# KiCad board daq-eval-board.kicad_pcb
title: DAQ Evaluation Board; date: 2024-03-22; rev: 1; company: Cerebral Systems Inc.
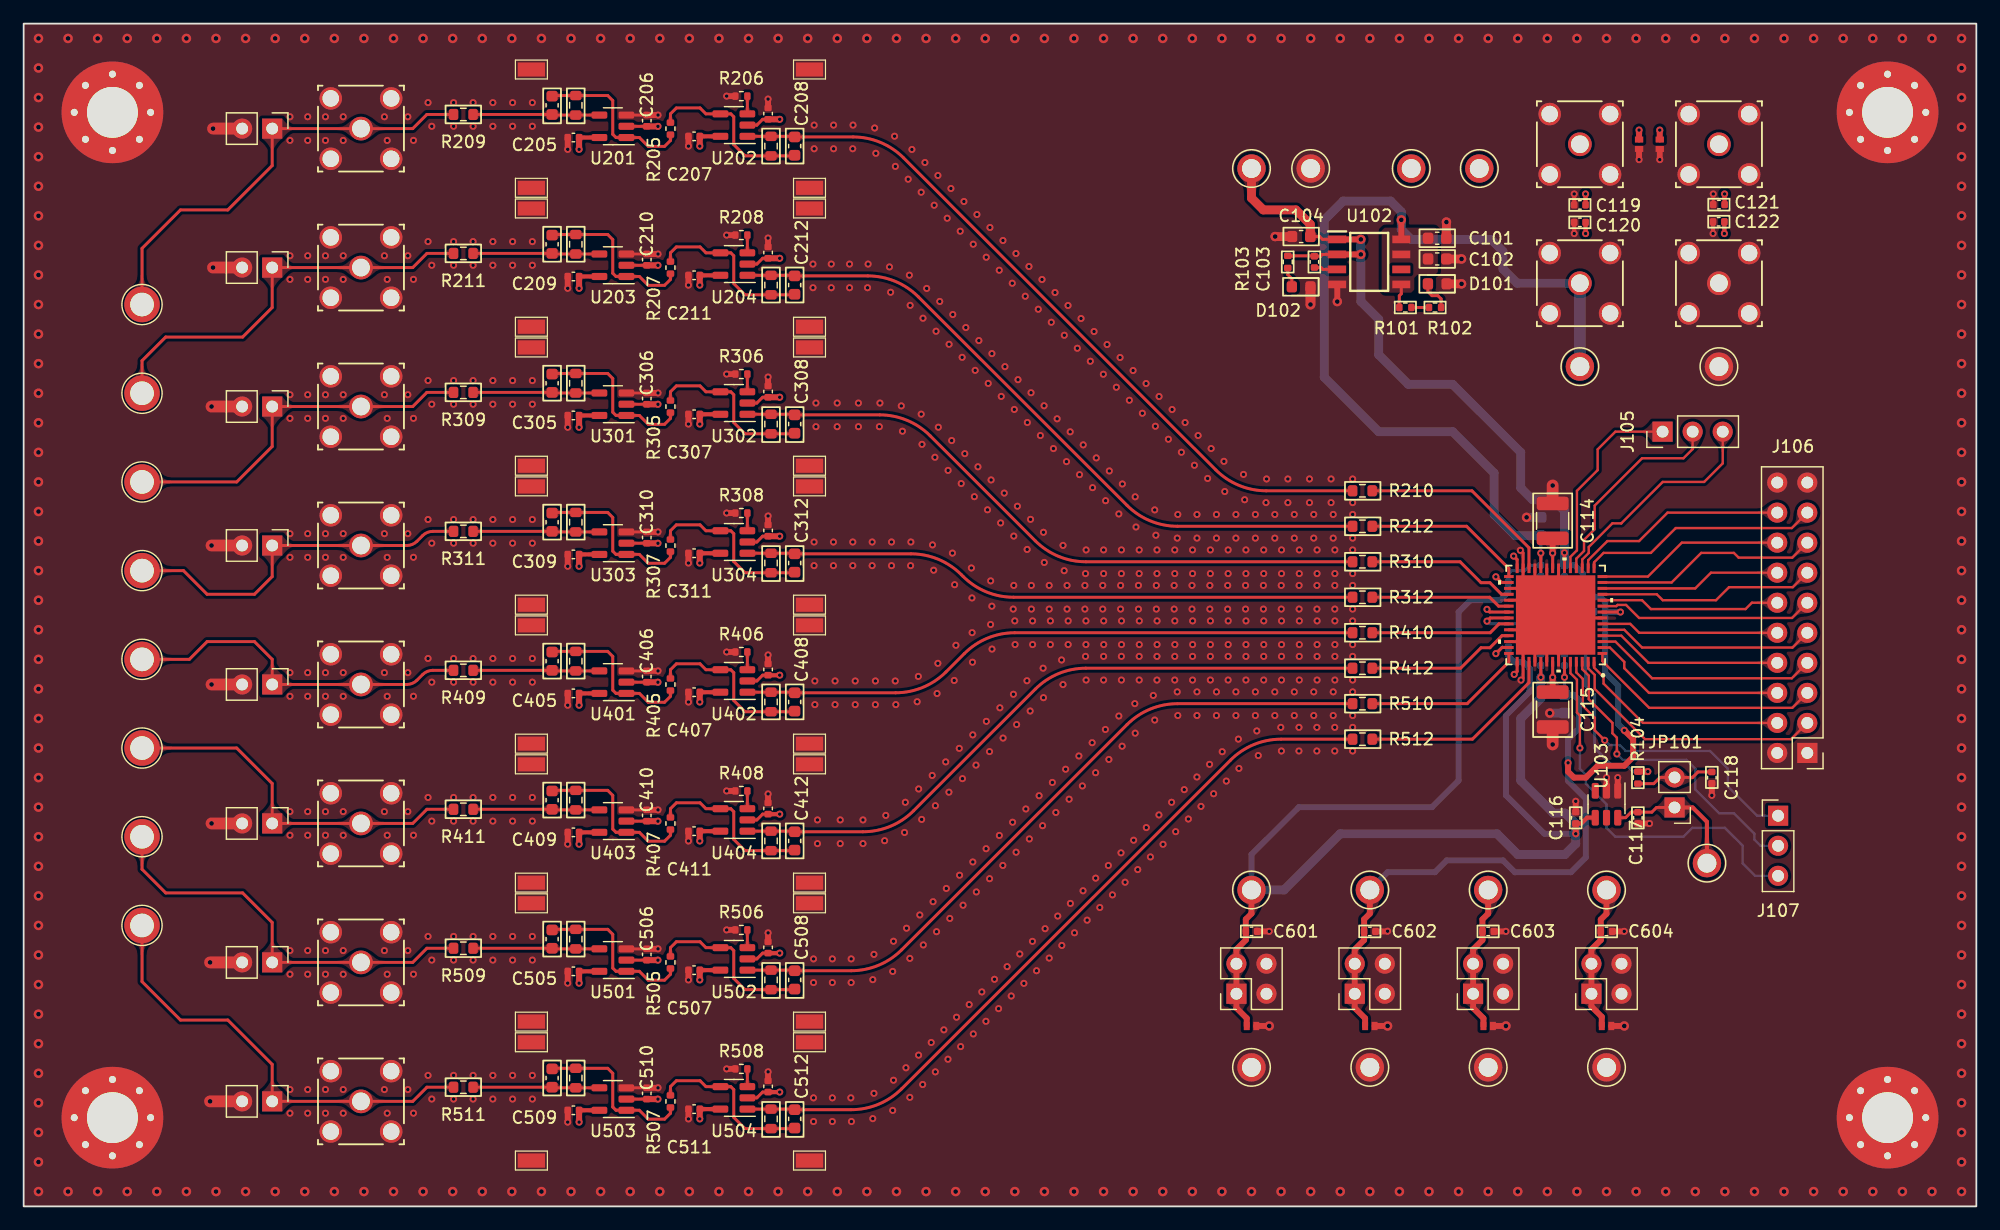
[diagram p0: board, top side]
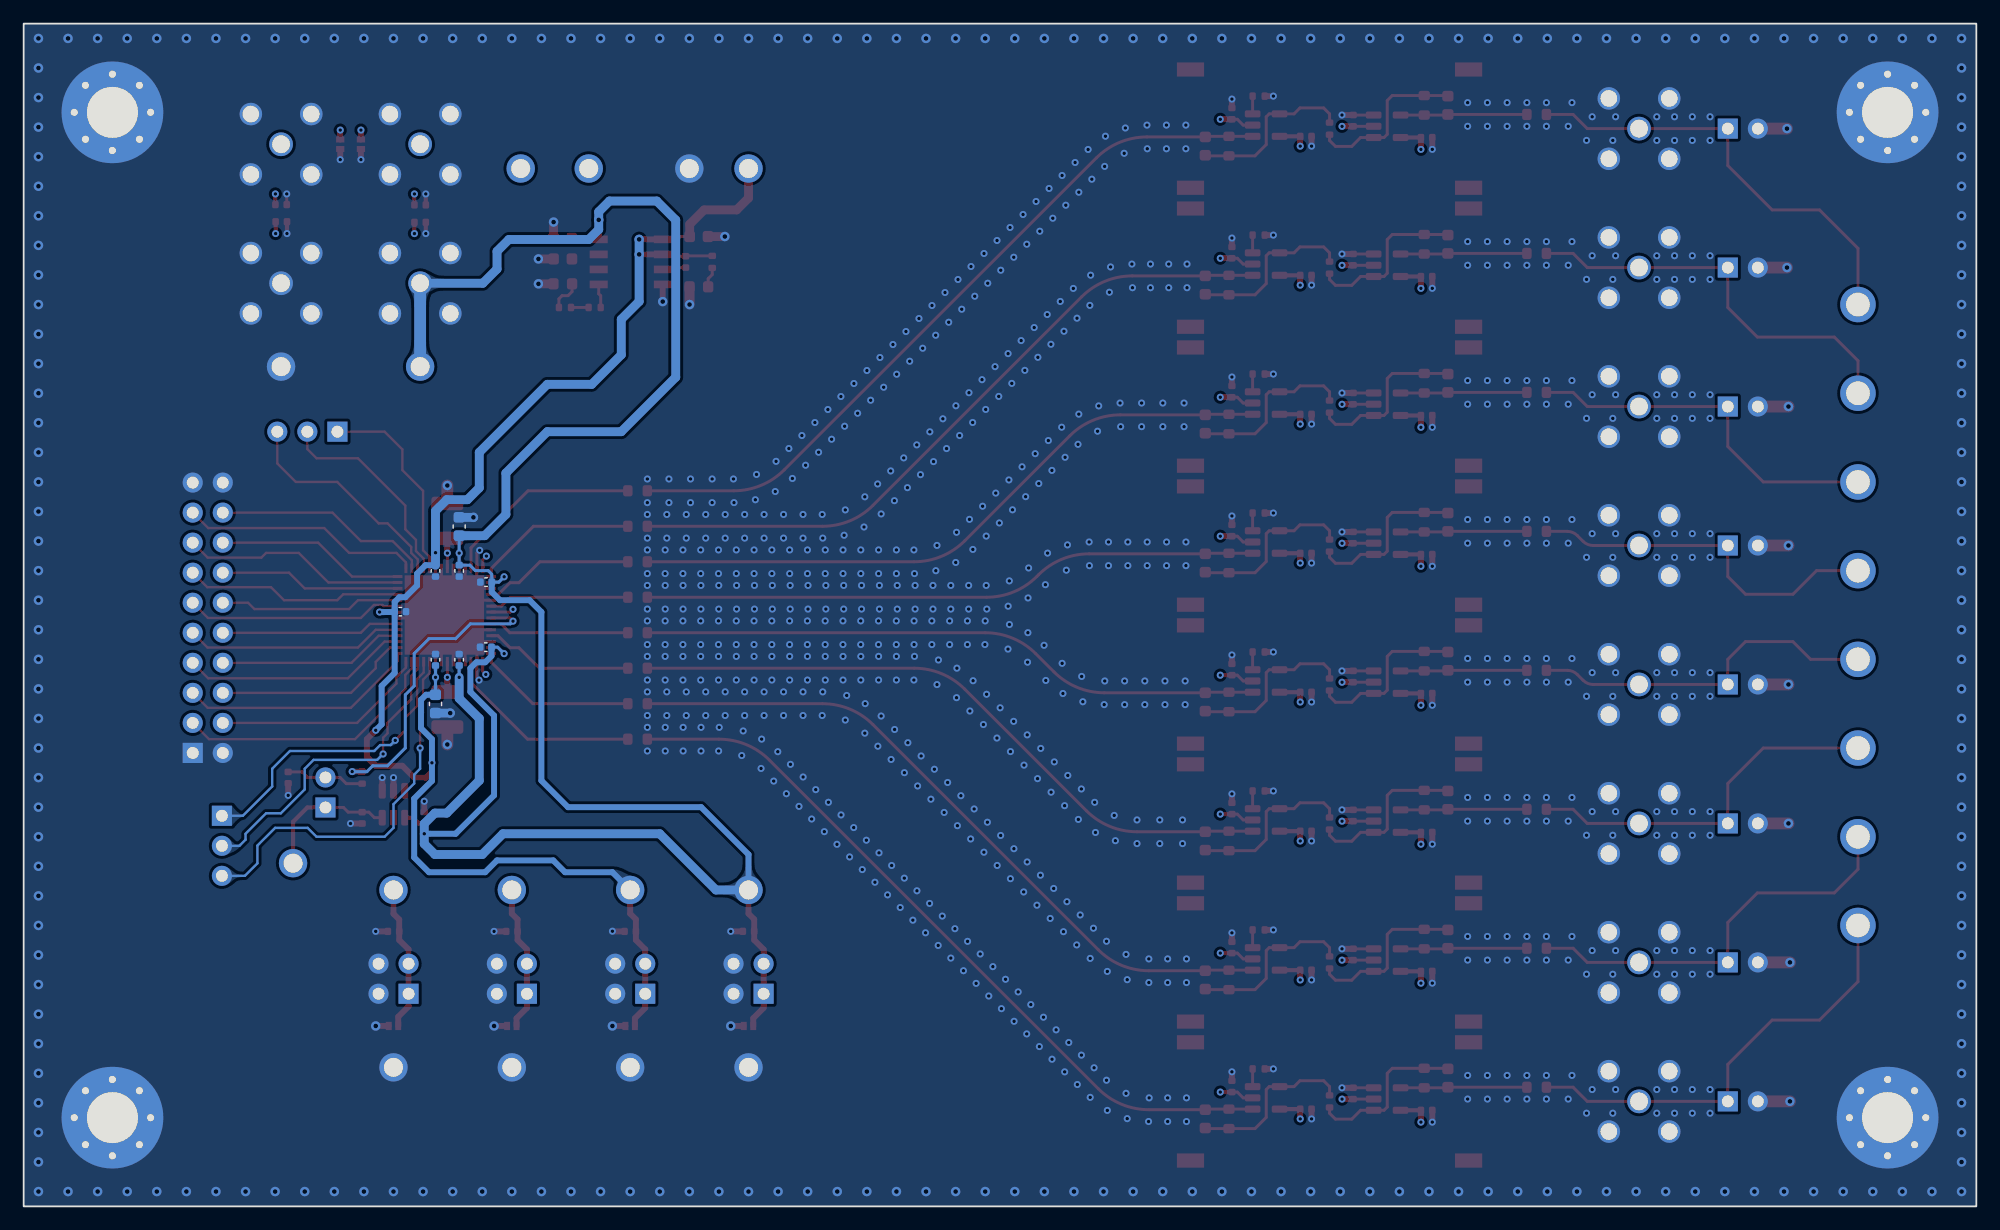
[diagram p1: board, bottom side, seen from below]

Outline 165 x 100 mm; copper layers: Top, In1.Cu (plane), In2.Cu (plane), In3.Cu (plane), In4.Cu (plane), Bottom. Coordinates in mm from the lower left corner of the outline.
Outline path: rectangle 0,100 165,0
Stack: Top 0.035mm / dielectric 0.1mm FR4 er 4.5 / In1.Cu 0.035mm / dielectric 0.535mm FR4 er 4.5 / In2.Cu 0.035mm / dielectric 0.1mm FR4 er 4.5 / In3.Cu 0.035mm / dielectric 0.535mm FR4 er 4.5 / In4.Cu 0.035mm / dielectric 0.1mm FR4 er 4.5 / Bottom 0.035mm

## Placement (name value [footprint] x y rotation side)
C101  10uF  [C_0603_1608Metric]  119.45 81.86 0 top
C102  100nF  [C_0603_1608Metric]  119.45 80.11 0 top
C103  100nF  [C_0402_1005Metric]  109.07 79.86 90 top
C104  10uF  [C_0603_1608Metric]  107.95 82 180 top
C105  10uF  [C_0603_1608Metric]  128.2 57.48 90 bottom
C106  100nF  [C_0402_1005Metric]  128.2 53.73 270 bottom
C107  100nF  [C_0402_1005Metric]  125.93 52.78 0 bottom
C108  100nF  [C_0402_1005Metric]  125.95 47.28 0 bottom
C109  100nF  [C_0402_1005Metric]  128.2 46.21 90 bottom
C110  100nF  [C_0402_1005Metric]  133.17 50.28 180 bottom
C111  100nF  [C_0402_1005Metric]  130.2 53.73 270 bottom
C112  100nF  [C_0402_1005Metric]  130.2 46.21 90 bottom
C113  10uF  [C_0603_1608Metric]  130.2 42.48 270 bottom
C114  47uF  [C_1210_3225Metric]  129.2 57.96 90 top
C115  47uF  [C_1210_3225Metric]  129.2 42.01 270 top
C116  100nF  [C_0402_1005Metric]  131.15 32.85 90 top
C117  2.2uF  [C_0402_1005Metric]  136.4 32.85 270 top
C118  100nF  [C_0402_1005Metric]  142.65 36.25 270 top
C119  100nF  [C_0402_1005Metric]  131.5 84.67 0 top
C120  1uF  [C_0402_1005Metric]  131.5 83.2 0 top
C121  100nF  [C_0402_1005Metric]  143.25 84.7 0 top
C122  1uF  [C_0402_1005Metric]  143.23 83.25 0 top
C201  10pF  [C_0603_1608Metric]  44.65 93.1 90 top
C202  10pF  [C_0603_1608Metric]  65.15 89.65 90 top
C203  10pF  [C_0603_1608Metric]  44.65 81.35 90 top
C204  10pF  [C_0603_1608Metric]  65.15 77.9 90 top
C205  100nF  [C_0402_1005Metric]  46.45 90.37 0 top
C206  100nF  [C_0402_1005Metric]  52.65 91.8 270 top
C207  100nF  [C_0402_1005Metric]  56.65 90.47 0 top
C208  100nF  [C_0402_1005Metric]  62.9 92.39 270 top
C209  100nF  [C_0402_1005Metric]  46.45 78.62 0 top
C210  100nF  [C_0402_1005Metric]  52.65 80.05 270 top
C211  100nF  [C_0402_1005Metric]  56.65 78.72 0 top
C212  100nF  [C_0402_1005Metric]  62.9 80.64 270 top
C301  10pF  [C_0603_1608Metric]  44.65 69.6 90 top
C302  10pF  [C_0603_1608Metric]  65.15 66.15 90 top
C303  10pF  [C_0603_1608Metric]  44.65 57.85 90 top
C304  10pF  [C_0603_1608Metric]  65.15 54.4 90 top
C305  100nF  [C_0402_1005Metric]  46.45 66.87 0 top
C306  100nF  [C_0402_1005Metric]  52.65 68.3 270 top
C307  100nF  [C_0402_1005Metric]  56.65 66.97 0 top
C308  100nF  [C_0402_1005Metric]  62.9 68.89 270 top
C309  100nF  [C_0402_1005Metric]  46.45 55.12 0 top
C310  100nF  [C_0402_1005Metric]  52.65 56.55 270 top
C311  100nF  [C_0402_1005Metric]  56.65 55.22 0 top
C312  100nF  [C_0402_1005Metric]  62.9 57.14 270 top
C401  10pF  [C_0603_1608Metric]  44.65 46.1 90 top
C402  10pF  [C_0603_1608Metric]  65.15 42.65 90 top
C403  10pF  [C_0603_1608Metric]  44.65 34.35 90 top
C404  10pF  [C_0603_1608Metric]  65.15 30.9 90 top
C405  100nF  [C_0402_1005Metric]  46.45 43.37 0 top
C406  100nF  [C_0402_1005Metric]  52.65 44.8 270 top
C407  100nF  [C_0402_1005Metric]  56.65 43.47 0 top
C408  100nF  [C_0402_1005Metric]  62.9 45.39 270 top
C409  100nF  [C_0402_1005Metric]  46.45 31.62 0 top
C410  100nF  [C_0402_1005Metric]  52.65 33.05 270 top
C411  100nF  [C_0402_1005Metric]  56.65 31.72 0 top
C412  100nF  [C_0402_1005Metric]  62.9 33.64 270 top
C501  10pF  [C_0603_1608Metric]  44.65 22.6 90 top
C502  10pF  [C_0603_1608Metric]  65.15 19.15 90 top
C503  10pF  [C_0603_1608Metric]  44.65 10.85 90 top
C504  10pF  [C_0603_1608Metric]  65.15 7.4 90 top
C505  100nF  [C_0402_1005Metric]  46.45 19.87 0 top
C506  100nF  [C_0402_1005Metric]  52.65 21.3 270 top
C507  100nF  [C_0402_1005Metric]  56.65 19.97 0 top
C508  100nF  [C_0402_1005Metric]  62.9 21.89 270 top
C509  100nF  [C_0402_1005Metric]  46.45 8.12 0 top
C510  100nF  [C_0402_1005Metric]  52.65 9.55 270 top
C511  100nF  [C_0402_1005Metric]  56.65 8.22 0 top
C512  100nF  [C_0402_1005Metric]  62.9 10.14 270 top
C601  100nF  [C_0402_1005Metric]  103.75 23.25 180 top
C602  100nF  [C_0402_1005Metric]  113.75 23.25 180 top
C603  100nF  [C_0402_1005Metric]  123.75 23.25 180 top
C604  100nF  [C_0402_1005Metric]  133.75 23.25 180 top
D101  LED  [D_0603_1608Metric]  119.45 78 180 top
D102  LED  [D_0603_1608Metric]  107.95 77.75 180 top
D103  PESD5V5C1BL  [SOD882D]  136.5 89.8 90 top
D104  PESD5V5C1BL  [SOD882D]  138.25 89.8 90 top
D601  PESD5V5C1BL  [SOD882D]  103.75 15.25 180 top
D602  PESD5V5C1BL  [SOD882D]  113.75 15.25 180 top
D603  PESD5V5C1BL  [SOD882D]  123.75 15.25 180 top
D604  PESD5V5C1BL  [SOD882D]  133.75 15.25 180 top
H1  MountingHole_Pad  [MountingHole_4.3mm_M4_Pad_Via]  157.5 92.5 0 top
H2  MountingHole_Pad  [MountingHole_4.3mm_M4_Pad_Via]  157.5 7.5 0 top
H3  MountingHole_Pad  [MountingHole_4.3mm_M4_Pad_Via]  7.5 7.5 0 top
H4  MountingHole_Pad  [MountingHole_4.3mm_M4_Pad_Via]  7.5 92.5 0 top
J101  Conn_Coaxial  [CONN_RF2-04A-T-00-50-G_ADM]  131.5 78.05 0 top
J102  Conn_Coaxial  [CONN_RF2-04A-T-00-50-G_ADM]  143.25 78.05 0 top
J103  Conn_Coaxial  [CONN_RF2-04A-T-00-50-G_ADM]  131.5 89.8 270 top
J104  Conn_Coaxial  [CONN_RF2-04A-T-00-50-G_ADM]  143.25 89.8 270 top
J105  Conn_01x03  [PinHeader_1x03_P2.54mm_Vertical]  138.49 65.5 90 top
J106  Conn_01x20  [PinHeader_2x10_P2.54mm_Vertical]  150.72 38.34 180 top
J107  Conn_01x03  [PinHeader_1x03_P2.54mm_Vertical]  148.25 33.03 0 top
J201  Conn_Coaxial  [CONN_RF2-04A-T-00-50-G_ADM]  28.5 91.13 0 top
J202  Conn_Coaxial  [CONN_RF2-04A-T-00-50-G_ADM]  28.5 79.38 0 top
J301  Conn_Coaxial  [CONN_RF2-04A-T-00-50-G_ADM]  28.5 67.63 0 top
J302  Conn_Coaxial  [CONN_RF2-04A-T-00-50-G_ADM]  28.5 55.88 0 top
J401  Conn_Coaxial  [CONN_RF2-04A-T-00-50-G_ADM]  28.5 44.13 0 top
J402  Conn_Coaxial  [CONN_RF2-04A-T-00-50-G_ADM]  28.5 32.38 0 top
J501  Conn_Coaxial  [CONN_RF2-04A-T-00-50-G_ADM]  28.5 20.63 0 top
J502  Conn_Coaxial  [CONN_RF2-04A-T-00-50-G_ADM]  28.5 8.88 0 top
J601  Conn_01x04  [PinHeader_2x02_P2.54mm_Vertical]  102.48 17.98 90 top
J602  Conn_01x04  [PinHeader_2x02_P2.54mm_Vertical]  112.48 17.98 90 top
J603  Conn_01x04  [PinHeader_2x02_P2.54mm_Vertical]  122.48 17.98 90 top
J604  Conn_01x04  [PinHeader_2x02_P2.54mm_Vertical]  132.48 17.98 90 top
JP101  Jumper_2_Bridged  [PinHeader_1x02_P2.54mm_Vertical]  139.5 33.72 180 top
JP201  Jumper_2_Open  [PinHeader_1x02_P2.54mm_Vertical]  21 91.13 270 top
JP202  Jumper_2_Open  [PinHeader_1x02_P2.54mm_Vertical]  21 79.38 270 top
JP301  Jumper_2_Open  [PinHeader_1x02_P2.54mm_Vertical]  21 67.63 270 top
JP302  Jumper_2_Open  [PinHeader_1x02_P2.54mm_Vertical]  21 55.88 270 top
JP401  Jumper_2_Open  [PinHeader_1x02_P2.54mm_Vertical]  21 44.13 270 top
JP402  Jumper_2_Open  [PinHeader_1x02_P2.54mm_Vertical]  21 32.38 270 top
JP501  Jumper_2_Open  [PinHeader_1x02_P2.54mm_Vertical]  21 20.63 270 top
JP502  Jumper_2_Open  [PinHeader_1x02_P2.54mm_Vertical]  21 8.88 270 top
MP701  S0911-46R  [S091146R]  42.9 96.12 0 top
MP702  S0911-46R  [S091146R]  66.4 96.12 180 top
MP703  S0911-46R  [S091146R]  66.4 86.12 180 top
MP704  S0911-46R  [S091146R]  42.9 86.12 0 top
MP705  S0911-46R  [S091146R]  42.9 84.37 0 top
MP706  S0911-46R  [S091146R]  66.4 84.37 0 top
MP707  S0911-46R  [S091146R]  66.4 74.37 180 top
MP708  S0911-46R  [S091146R]  42.9 74.37 0 top
MP709  S0911-46R  [S091146R]  42.9 72.62 0 top
MP710  S0911-46R  [S091146R]  66.4 72.62 180 top
MP711  S0911-46R  [S091146R]  66.4 62.62 180 top
MP712  S0911-46R  [S091146R]  42.9 62.62 0 top
MP713  S0911-46R  [S091146R]  42.9 60.87 0 top
MP714  S0911-46R  [S091146R]  66.4 60.87 180 top
MP715  S0911-46R  [S091146R]  66.4 50.87 180 top
MP716  S0911-46R  [S091146R]  42.9 50.87 0 top
MP717  S0911-46R  [S091146R]  42.9 49.12 0 top
MP718  S0911-46R  [S091146R]  66.4 49.12 180 top
MP719  S0911-46R  [S091146R]  66.4 39.12 180 top
MP720  S0911-46R  [S091146R]  42.9 39.12 0 top
MP721  S0911-46R  [S091146R]  42.9 37.37 0 top
MP722  S0911-46R  [S091146R]  66.4 37.37 180 top
MP723  S0911-46R  [S091146R]  66.4 27.37 180 top
MP724  S0911-46R  [S091146R]  42.9 27.37 0 top
MP725  S0911-46R  [S091146R]  42.9 25.62 0 top
MP726  S0911-46R  [S091146R]  66.4 25.62 180 top
MP727  S0911-46R  [S091146R]  66.4 15.62 180 top
MP728  S0911-46R  [S091146R]  42.9 15.62 0 top
MP729  S0911-46R  [S091146R]  42.9 13.87 0 top
MP730  S0911-46R  [S091146R]  66.4 13.87 180 top
MP731  S0911-46R  [S091146R]  66.4 3.87 180 top
MP732  S0911-46R  [S091146R]  42.9 3.87 0 top
R101  1k  [R_0402_1005Metric]  116.75 76 0 top
R102  1k  [R_0402_1005Metric]  119.26 76 0 top
R103  1k  [R_0402_1005Metric]  106.82 79.86 270 top
R104  0R  [R_0402_1005Metric]  136.4 36.25 90 top
R201  10M  [R_0603_1608Metric]  46.65 93.1 270 top
R202  1k  [R_0603_1608Metric]  63.15 89.65 270 top
R203  10M  [R_0603_1608Metric]  46.65 81.35 270 top
R204  1k  [R_0603_1608Metric]  63.15 77.9 270 top
R205  100  [R_0402_1005Metric]  54.65 91.12 270 top
R206  100  [R_0402_1005Metric]  60.64 93.87 180 top
R207  100  [R_0402_1005Metric]  54.65 79.37 270 top
R208  100  [R_0402_1005Metric]  60.64 82.12 180 top
R209  0R  [R_0603_1608Metric]  37.15 92.32 180 top
R210  0R  [R_0603_1608Metric]  113.12 60.5 180 top
R211  0R  [R_0603_1608Metric]  37.15 80.57 180 top
R212  0R  [R_0603_1608Metric]  113.12 57.5 180 top
R301  10M  [R_0603_1608Metric]  46.65 69.6 270 top
R302  1k  [R_0603_1608Metric]  63.15 66.15 270 top
R303  10M  [R_0603_1608Metric]  46.65 57.85 270 top
R304  1k  [R_0603_1608Metric]  63.15 54.4 270 top
R305  100  [R_0402_1005Metric]  54.65 67.62 270 top
R306  100  [R_0402_1005Metric]  60.64 70.37 180 top
R307  100  [R_0402_1005Metric]  54.65 55.87 270 top
R308  100  [R_0402_1005Metric]  60.64 58.62 180 top
R309  0R  [R_0603_1608Metric]  37.15 68.82 180 top
R310  0R  [R_0603_1608Metric]  113.12 54.5 180 top
R311  0R  [R_0603_1608Metric]  37.15 57.07 180 top
R312  0R  [R_0603_1608Metric]  113.12 51.5 180 top
R401  10M  [R_0603_1608Metric]  46.65 46.1 270 top
R402  1k  [R_0603_1608Metric]  63.15 42.65 270 top
R403  10M  [R_0603_1608Metric]  46.65 34.35 270 top
R404  1k  [R_0603_1608Metric]  63.15 30.9 270 top
R405  100  [R_0402_1005Metric]  54.65 44.12 270 top
R406  100  [R_0402_1005Metric]  60.64 46.87 180 top
R407  100  [R_0402_1005Metric]  54.65 32.37 270 top
R408  100  [R_0402_1005Metric]  60.64 35.12 180 top
R409  0R  [R_0603_1608Metric]  37.15 45.32 180 top
R410  0R  [R_0603_1608Metric]  113.12 48.5 180 top
R411  0R  [R_0603_1608Metric]  37.15 33.57 180 top
R412  0R  [R_0603_1608Metric]  113.12 45.5 180 top
R501  10M  [R_0603_1608Metric]  46.65 22.6 270 top
R502  1k  [R_0603_1608Metric]  63.15 19.15 270 top
R503  10M  [R_0603_1608Metric]  46.65 10.85 270 top
R504  1k  [R_0603_1608Metric]  63.15 7.4 270 top
R505  100  [R_0402_1005Metric]  54.65 20.62 270 top
R506  100  [R_0402_1005Metric]  60.64 23.37 180 top
R507  100  [R_0402_1005Metric]  54.65 8.87 270 top
R508  100  [R_0402_1005Metric]  60.64 11.62 180 top
R509  0R  [R_0603_1608Metric]  37.15 21.82 180 top
R510  0R  [R_0603_1608Metric]  113.12 42.5 180 top
R511  0R  [R_0603_1608Metric]  37.15 10.07 180 top
R512  0R  [R_0603_1608Metric]  113.12 39.5 180 top
TP101  TestPoint  [KEYSTONE_5000]  131.5 71 0 top
TP102  TestPoint  [KEYSTONE_5001]  143.25 71 0 top
TP103  TestPoint  [KEYSTONE_5000]  103.75 87.75 0 top
TP104  TestPoint  [KEYSTONE_5000]  117.25 87.75 0 top
TP105  TestPoint  [KEYSTONE_5000]  123 87.75 0 top
TP106  TestPoint  [KEYSTONE_5002]  142.24 29.02 0 top
TP201  TestPoint_Alt  [TestPoint_Plated_Hole_D2.0mm]  10 76.25 0 top
TP202  TestPoint_Alt  [TestPoint_Plated_Hole_D2.0mm]  10 68.75 0 top
TP301  TestPoint_Alt  [TestPoint_Plated_Hole_D2.0mm]  10 61.25 0 top
TP302  TestPoint_Alt  [TestPoint_Plated_Hole_D2.0mm]  10 53.75 0 top
TP401  TestPoint_Alt  [TestPoint_Plated_Hole_D2.0mm]  10 46.25 0 top
TP402  TestPoint_Alt  [TestPoint_Plated_Hole_D2.0mm]  10 38.75 0 top
TP501  TestPoint_Alt  [TestPoint_Plated_Hole_D2.0mm]  10 31.25 0 top
TP502  TestPoint_Alt  [TestPoint_Plated_Hole_D2.0mm]  10 23.75 0 top
TP601  TestPoint  [KEYSTONE_5000]  103.75 26.75 180 top
TP602  TestPoint  [KEYSTONE_5000]  113.75 26.75 0 top
TP603  TestPoint  [KEYSTONE_5000]  123.75 26.75 0 top
TP604  TestPoint  [KEYSTONE_5000]  133.75 26.75 0 top
TP605  TestPoint  [KEYSTONE_5001]  113.75 11.75 0 top
TP606  TestPoint  [KEYSTONE_5001]  103.75 11.75 0 top
TP607  TestPoint  [KEYSTONE_5001]  123.75 11.75 0 top
TP608  TestPoint  [KEYSTONE_5001]  108.75 87.75 0 top
TP609  TestPoint  [KEYSTONE_5001]  133.75 11.75 0 top
U101  MAX11046ETN+  [TQFN-56-EP1_8.00x8.00mm_P0.5mm]  129.45 51.37 180 top
U102  ADP3303ARZ-3_3  [SOIC127P600X175-8N]  113.7 79.86 0 top
U103  LT6654AIS6-4.096#TRMPBF  [TSOT-23-6]  133.75 34 270 top
U201  OPA392DBVT  [SOT-23-5]  49.79 91.32 180 top
U202  OPA387DBVR  [SOT-23-5]  60.02 91.42 180 top
U203  OPA392DBVT  [SOT-23-5]  49.79 79.57 180 top
U204  OPA387DBVR  [SOT-23-5]  60.02 79.67 180 top
U301  OPA392DBVT  [SOT-23-5]  49.79 67.82 180 top
U302  OPA387DBVR  [SOT-23-5]  60.02 67.92 180 top
U303  OPA392DBVT  [SOT-23-5]  49.79 56.07 180 top
U304  OPA387DBVR  [SOT-23-5]  60.02 56.17 180 top
U401  OPA392DBVT  [SOT-23-5]  49.79 44.32 180 top
U402  OPA387DBVR  [SOT-23-5]  60.02 44.42 180 top
U403  OPA392DBVT  [SOT-23-5]  49.79 32.57 180 top
U404  OPA387DBVR  [SOT-23-5]  60.02 32.67 180 top
U501  OPA392DBVT  [SOT-23-5]  49.79 20.82 180 top
U502  OPA387DBVR  [SOT-23-5]  60.02 20.92 180 top
U503  OPA392DBVT  [SOT-23-5]  49.79 9.07 180 top
U504  OPA387DBVR  [SOT-23-5]  60.02 9.17 180 top

## Library data of the parts
C101 C104 = -: Description: Polarized capacitor, US symbol
C102 C103 C105-C122 C201-C212 C301-C312 C401-C412 C501-C512 C601-C604 = -: Description: Unpolarized capacitor
D101 D102 = -: Description: Light emitting diode
D103 D104 D601-D604 = -: Description: Bidirectional transient-voltage-suppression diode
H1-H4 = -: Description: Mounting Hole with connection
J101-J104 J201 J202 J301 J302 J401 J402 J501 J502 = -: Description: coaxial connector (BNC, SMA, SMB, SMC, Cinch/RCA, LEMO, ...)
J105 J107 = -: Description: Generic connector, single row, 01x03, script generated (kicad-library-utils/schlib/autogen/connector/)
J106 = -: Description: Generic connector, single row, 01x20, script generated (kicad-library-utils/schlib/autogen/connector/)
J601-J604 = -: Description: Generic connector, single row, 01x04, script generated (kicad-library-utils/schlib/autogen/connector/)
JP101 = -: Description: Jumper, 2-pole, closed/bridged
JP201 JP202 JP301 JP302 JP401 JP402 JP501 JP502 = -: Description: Jumper, 2-pole, open
MP701-MP732 = -: Description: Shield Clip, SMT, Compact, Beryllium Copper, tin, Tape & Reeled; LCSC: C3308714
R101-R104 R201-R212 R301-R312 R401-R412 R501-R512 = -: Description: Resistor, US symbol
TP101-TP106 TP601-TP609 = -: Description: test point
TP201 TP202 TP301 TP302 TP401 TP402 TP501 TP502 = -: Description: test point (alternative shape)
U101 = -: Description: 16 Bit, 8 Channel, Simultaneous-Sampling +/-5V ADC
U103 = -: Description: 4.096V Precision Wide Supply High Output Drive Low Noise Reference
U201 U203 U301 U303 U401 U403 U501 U503 = -: Description: Precision, Low-Offset-Voltage, Low-Noise, Low-Input-Bias-Current, Rail-to-Rail I/O, e-trim™ Operational Amplifiers
U202 U204 U302 U304 U402 U404 U502 U504 = -: Description: Ultra-High Precision, Zero-Drift, Low-Input-Bias-Current Op Amps

## Footprints (pads in the part's own frame, mm; a bottom-side part is the same pattern mirrored in y, then rotated)
C_0402_1005Metric
  rrect 0.56x0.62 smd: 1(-0.48,0) 2(0.48,0)
C_0603_1608Metric
  rrect 0.9x0.95 smd: 1(-0.775,0) 2(0.775,0)
C_1210_3225Metric
  rrect 1.15x2.7 smd: 1(-1.475,0) 2(1.475,0)
CONN_RF2-04A-T-00-50-G_ADM
  round 2.007 hole 1.499: 1(0,0)
  round 1.905 hole 1.397: 2(-2.553,2.553) 2(-2.553,-2.553) 2(2.553,2.553) 2(2.553,-2.553)
D_0603_1608Metric
  rrect 0.875x0.95 smd: 1(-0.787,0) 2(0.787,0)
KEYSTONE_5000
  round 2.4 hole 1.6: 1(0,0)
KEYSTONE_5001
  round 2.4 hole 1.6: 1(0,0)
KEYSTONE_5002
  round 2.4 hole 1.6: 1(0,0)
MountingHole_4.3mm_M4_Pad_Via
  round 0.9 hole 0.6: 1(-3.225,0) 1(-2.28,2.28) 1(-2.28,-2.28) 1(0,3.225) 1(0,-3.225) 1(2.28,2.28) 1(2.28,-2.28) 1(3.225,0)
  round 8.6 hole 4.3: 1(0,0)
PinHeader_1x02_P2.54mm_Vertical
  rect 1.7x1.7 hole 1: 1(0,0)
  oval 1.7x1.7 hole 1: 2(0,-2.54)
PinHeader_1x03_P2.54mm_Vertical
  rect 1.7x1.7 hole 1: 1(0,0)
  oval 1.7x1.7 hole 1: 2(0,-2.54) 3(0,-5.08)
PinHeader_2x02_P2.54mm_Vertical
  rect 1.7x1.7 hole 1: 1(0,0)
  oval 1.7x1.7 hole 1: 2(2.54,0) 3(0,-2.54) 4(2.54,-2.54)
PinHeader_2x10_P2.54mm_Vertical
  rect 1.7x1.7 hole 1: 1(0,0)
  oval 1.7x1.7 hole 1: 2(2.54,0) 3(0,-2.54) 4(2.54,-2.54) 5(0,-5.08) 6(2.54,-5.08) 7(0,-7.62) 8(2.54,-7.62) 9(0,-10.16) 10(2.54,-10.16) 11(0,-12.7) 12(2.54,-12.7) 13(0,-15.24) 14(2.54,-15.24) 15(0,-17.78) 16(2.54,-17.78) 17(0,-20.32) 18(2.54,-20.32) 19(0,-22.86) 20(2.54,-22.86)
R_0402_1005Metric
  rrect 0.54x0.64 smd: 1(-0.51,0) 2(0.51,0)
R_0603_1608Metric
  rrect 0.8x0.95 smd: 1(-0.825,0) 2(0.825,0)
S091146R
  rect 2.3x1.2 smd: 1(0,0)
SOD882D
  rect 0.5x0.7 smd: 1(-0.4,0) 2(0.4,0)
SOIC127P600X175-8N
  rect 1.525x0.65 smd: 1(-2.712,1.905) 2(-2.712,0.635) 3(-2.712,-0.635) 4(-2.712,-1.905) 5(2.712,-1.905) 6(2.712,-0.635) 7(2.712,0.635) 8(2.712,1.905)
SOT-23-5
  rrect 1.325x0.6 smd: 1(-1.137,0.95) 2(-1.137,0) 3(-1.137,-0.95) 4(1.137,-0.95) 5(1.137,0.95)
TestPoint_Plated_Hole_D2.0mm
  round 3 hole 2: 1(0,0)
TQFN-56-EP1_8.00x8.00mm_P0.5mm
  rect 0.813x0.254 smd: 1(-3.95,4.621) 2(-3.95,4.121) 3(-3.95,3.621) 4(-3.95,3.121) 5(-3.95,2.621) 6(-3.95,2.121) 7(-3.95,1.621) 8(-3.95,1.121) 9(-3.95,0.621) 10(-3.95,0.121) 11(-3.95,-0.379) 12(-3.95,-0.879) 13(-3.95,-1.379) 14(-3.95,-1.879) 29(3.95,-1.879) 30(3.95,-1.379) 31(3.95,-0.879) 32(3.95,-0.379) 33(3.95,0.121) 34(3.95,0.621) 35(3.95,1.121) 36(3.95,1.621) 37(3.95,2.121) 38(3.95,2.621) 39(3.95,3.121) 40(3.95,3.621) 41(3.95,4.121) 42(3.95,4.621)
  rect 0.254x0.813 smd: 15(-3.25,-2.579) 16(-2.75,-2.579) 17(-2.25,-2.579) 18(-1.75,-2.579) 19(-1.25,-2.579) 20(-0.75,-2.579) 21(-0.25,-2.579) 22(0.25,-2.579) 23(0.75,-2.579) 24(1.25,-2.579) 25(1.75,-2.579) 26(2.25,-2.579) 27(2.75,-2.579) 28(3.25,-2.579) 43(3.25,5.32) 44(2.75,5.32) 45(2.25,5.32) 46(1.75,5.32) 47(1.25,5.32) 48(0.75,5.32) 49(0.25,5.32) 50(-0.25,5.32) 51(-0.75,5.32) 52(-1.25,5.32) 53(-1.75,5.32) 54(-2.25,5.32) 55(-2.75,5.32) 56(-3.25,5.32)
  rect 6.706x6.706 smd: 57(0,1.371)
TSOT-23-6
  rrect 1.325x0.6 smd: 1(-1.137,0.95) 2(-1.137,0) 3(-1.137,-0.95) 4(1.137,-0.95) 5(1.137,0) 6(1.137,0.95)

## Nets
+2V5: C119.2 C120.2 C205.2 C207.2 C209.2 C211.2 C305.2 C307.2 C309.2 C311.2 C405.2 C407.2 C409.2 C411.2 C505.2 C507.2 C509.2 C511.2 C603.2 D103.2 D603.2 J103.1 J603.1 J603.2 TP104.1 TP603.1 U201.5 U202.5 U203.5 U204.5 U301.5 U302.5 U303.5 U304.5 U401.5 U402.5 U403.5 U404.5 U501.5 U502.5 U503.5 U504.5
+3.3V: C103.2 C104.1 C110.1 C111.1 C112.1 C113.1 C602.2 D602.2 J602.1 J602.2 R103.1 TP103.1 TP602.1 U101.8 U101.20 U101.51 U102.1 U102.2
+5V: C101.1 C102.1 C105.1 C106.1 C107.1 C108.1 C109.1 C116.1 C601.2 D601.2 J101.1 J601.1 J601.2 R101.1 TP101.1 TP601.1 U101.24 U101.30 U101.41 U101.47 U102.5 U102.7 U102.8 U103.4
-2V5: C121.2 C122.2 C206.2 C208.2 C210.2 C212.2 C306.2 C308.2 C310.2 C312.2 C406.2 C408.2 C410.2 C412.2 C506.2 C508.2 C510.2 C512.2 C604.2 D104.2 D604.2 J104.1 J604.1 J604.2 TP105.1 TP604.1 U201.2 U202.2 U203.2 U204.2 U301.2 U302.2 U303.2 U304.2 U401.2 U402.2 U403.2 U404.2 U501.2 U502.2 U503.2 U504.2
/ADC_CHANNEL_0: R210.1 U101.26
/ADC_CHANNEL_1: R212.1 U101.29
/ADC_CHANNEL_2: R310.1 U101.32
/ADC_CHANNEL_3: R312.1 U101.34
/ADC_CHANNEL_4: R410.1 U101.37
/ADC_CHANNEL_5: R412.1 U101.39
/ADC_CHANNEL_6: R510.1 U101.42
/ADC_CHANNEL_7: R512.1 U101.45
/analog-digital-conversion/ADC_CONVST: J105.2 U101.18
/analog-digital-conversion/ADC_CS: J107.1 U101.53
/analog-digital-conversion/ADC_EOC: J105.3 U101.17
/analog-digital-conversion/ADC_PARALLEL_0: J106.18 U101.16
/analog-digital-conversion/ADC_PARALLEL_1: J106.17 U101.15
/analog-digital-conversion/ADC_PARALLEL_2: J106.16 U101.14
/analog-digital-conversion/ADC_PARALLEL_3: J106.15 U101.13
/analog-digital-conversion/ADC_PARALLEL_4: J106.14 U101.12
/analog-digital-conversion/ADC_PARALLEL_5: J106.13 U101.11
/analog-digital-conversion/ADC_PARALLEL_6: J106.12 U101.10
/analog-digital-conversion/ADC_PARALLEL_7: J106.11 U101.9
/analog-digital-conversion/ADC_PARALLEL_8: J106.10 U101.6
/analog-digital-conversion/ADC_PARALLEL_9: J106.9 U101.5
/analog-digital-conversion/ADC_PARALLEL_10: J106.8 U101.4
/analog-digital-conversion/ADC_PARALLEL_11: J106.7 U101.3
/analog-digital-conversion/ADC_PARALLEL_12: J106.6 U101.2
/analog-digital-conversion/ADC_PARALLEL_13: J106.5 U101.1
/analog-digital-conversion/ADC_PARALLEL_14: J106.4 U101.56
/analog-digital-conversion/ADC_PARALLEL_15: J106.3 U101.55
/analog-digital-conversion/ADC_RD: J107.2 U101.54
/analog-digital-conversion/ADC_RDC: C114.1 C115.1 U101.22 U101.28 U101.35 U101.43 U101.49
/analog-digital-conversion/ADC_REFIO: R104.2 U101.36
/analog-digital-conversion/ADC_SHDN: J105.1 U101.19
/analog-digital-conversion/ADC_WR: J107.3 U101.52
/analog-digital-conversion/NR: C103.1 U102.3
/input-block-1/SMA_INPUT_0: J201.1 JP201.1 R209.2 TP201.1
/input-block-1/SMA_INPUT_1: J202.1 JP202.1 R211.2 TP202.1
/input-block-2/SMA_INPUT_2: J301.1 JP301.1 R309.2 TP301.1
/input-block-2/SMA_INPUT_3: J302.1 JP302.1 R311.2 TP302.1
/input-block-3/SMA_INPUT_4: J401.1 JP401.1 R409.2 TP401.1
/input-block-3/SMA_INPUT_5: J402.1 JP402.1 R411.2 TP402.1
/input-block-4/SMA_INPUT_5: J501.1 JP501.1 R509.2 TP501.1
/input-block-4/SMA_INPUT_6: J502.1 JP502.1 R511.2 TP502.1
Earth: C101.2 C102.2 C104.2 C105.2 C106.2 C107.2 C108.2 C109.2 C110.2 C111.2 C112.2 C113.2 C114.2 C115.2 C116.2 C117.2 C118.2 C119.1 C120.1 C121.1 C122.1 C205.1 C206.1 C207.1 C208.1 C209.1 C210.1 C211.1 C212.1 C305.1 C306.1 C307.1 C308.1 C309.1 C310.1 C311.1 C312.1 C405.1 C406.1 C407.1 C408.1 C409.1 C410.1 C411.1 C412.1 C505.1 C506.1 C507.1 C508.1 C509.1 C510.1 C511.1 C512.1 C601.1 C602.1 C603.1 C604.1 D101.1 D102.1 D103.1 D104.1 D601.1 D602.1 D603.1 D604.1 H1.1 H2.1 H3.1 H4.1 J101.2 J102.1 J102.2 J103.2 J104.2 J106.1 J106.2 J106.19 J106.20 J201.2 J202.2 J301.2 J302.2 J401.2 J402.2 J501.2 J502.2 J601.3 J601.4 J602.3 J602.4 J603.3 J603.4 J604.3 J604.4 JP201.2 JP202.2 JP301.2 JP302.2 JP401.2 JP402.2 JP501.2 JP502.2 MP701.1 MP702.1 MP703.1 MP704.1 MP705.1 MP706.1 MP707.1 MP708.1 MP709.1 MP710.1 MP711.1 MP712.1 MP713.1 MP714.1 MP715.1 MP716.1 MP717.1 MP718.1 MP719.1 MP720.1 MP721.1 MP722.1 MP723.1 MP724.1 MP725.1 MP726.1 MP727.1 MP728.1 MP729.1 MP730.1 MP731.1 MP732.1 R206.2 R208.2 R306.2 R308.2 R406.2 R408.2 R506.2 R508.2 TP102.1 TP605.1 TP606.1 TP607.1 TP608.1 TP609.1 U101.7 U101.21 U101.23 U101.25 U101.27 U101.31 U101.33 U101.38 U101.40 U101.44 U101.46 U101.48 U101.50 U101.57 U102.4 U103.1 U103.2 U201.3 U203.3 U301.3 U303.3 U401.3 U403.3 U501.3 U503.3